# KiCad board SparkX_Soft_Power_Switch_panelized.kicad_pcb (continued)
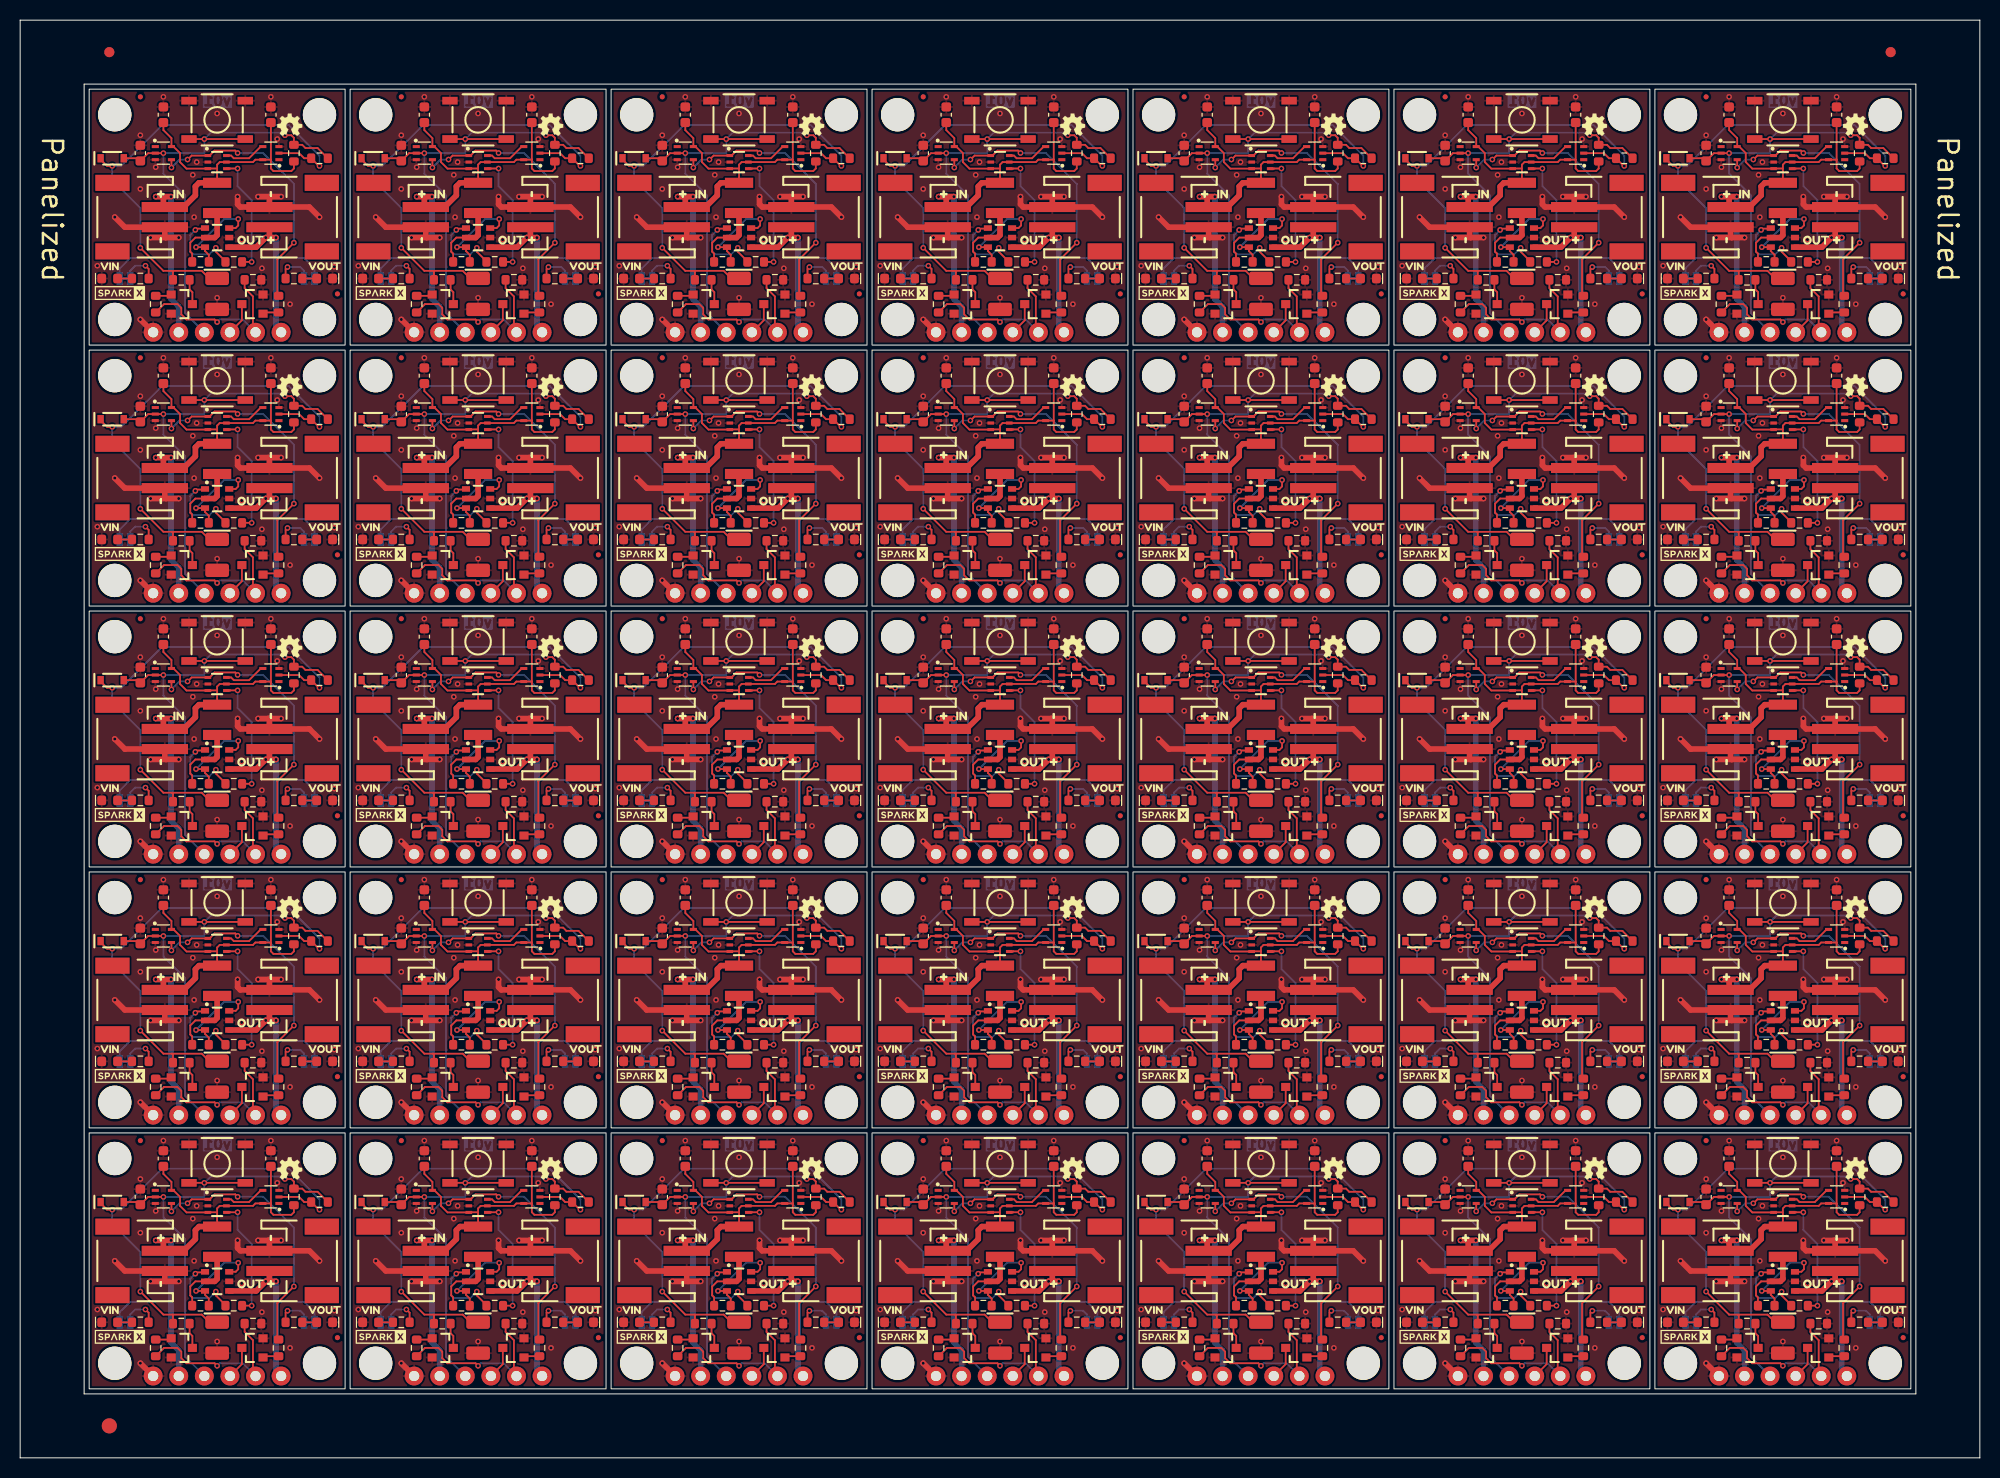
[diagram p0: board, top side]
## Routing (per net, layer and track width the routed paths; a pad name or vN(x,y) marks a point on that pad's centre or on a via; arc(x,y) is an arc through that point) (continued)
  vias: v1(7.66,118.32) v1(7.66,92.42) v1(7.66,66.52) v1(7.66,40.62) v1(7.66,14.72) v1(11.93,131.28) v1(11.93,125.94) v1(11.93,105.38) v1(11.93,100.04) v1(11.93,79.48) v1(11.93,74.14) v1(11.93,53.58) v1(11.93,48.24) v1(11.93,27.68) v1(11.93,22.34) v1(13.45,128.1) v1(13.45,102.2) v1(13.45,76.3) v1(13.45,50.4) v1(13.45,24.5) v1(14.22,135.09) v1(14.22,109.19) v1(14.22,83.29) v1(14.22,57.39) v1(14.22,31.49) v1(17.14,127.34) v1(17.14,101.44) v1(17.14,75.54) v1(17.14,49.64) v1(17.14,23.74) v1(17.26,123.15) v1(17.26,97.25) v1(17.26,71.35) v1(17.26,45.45) v1(17.26,19.55) v1(17.52,128.61) v1(17.52,102.71) v1(17.52,76.81) v1(17.52,50.91) v1(17.52,25.01) v1(19.55,133.44) v1(19.55,115.15) v1(19.55,107.54) v1(19.55,89.25) v1(19.55,81.64) v1(19.55,63.35) v1(19.55,55.74) v1(19.55,37.45) v1(19.55,29.84) v1(19.55,11.55) v1(21.99,120.91) v1(21.99,95.01) v1(21.99,69.11) v1(21.99,43.21) v1(21.99,17.31) v1(24,118.07) v1(24,92.17) v1(24,66.27) v1(24,40.37) v1(24,14.47) v1(24.88,135.09) v1(24.88,109.19) v1(24.88,83.29) v1(24.88,57.39) v1(24.88,31.49) v1(25.52,130.9) v1(25.52,105) v1(25.52,79.1) v1(25.52,53.2) v1(25.52,27.3) v1(26.79,114.51) v1(26.79,88.61) v1(26.79,62.71) v1(26.79,36.81) v1(26.79,10.91) v1(31.18,118.22) v1(31.18,92.32) v1(31.18,66.42) v1(31.18,40.52) v1(31.18,14.62) v1(33.56,118.32) v1(33.56,92.42) v1(33.56,66.52) v1(33.56,40.62) v1(33.56,14.72) v1(37.83,131.28) v1(37.83,125.94) v1(37.83,105.38) v1(37.83,100.04) v1(37.83,79.48) v1(37.83,74.14) v1(37.83,53.58) v1(37.83,48.24) v1(37.83,27.68) v1(37.83,22.34) v1(39.35,128.1) v1(39.35,102.2) v1(39.35,76.3) v1(39.35,50.4) v1(39.35,24.5) v1(40.12,135.09) v1(40.12,109.19) v1(40.12,83.29) v1(40.12,57.39) v1(40.12,31.49) v1(43.04,127.34) v1(43.04,101.44) v1(43.04,75.54) v1(43.04,49.64) v1(43.04,23.74) v1(43.16,123.15) v1(43.16,97.25) v1(43.16,71.35) v1(43.16,45.45) v1(43.16,19.55) v1(43.42,128.61) v1(43.42,102.71) v1(43.42,76.81) v1(43.42,50.91) v1(43.42,25.01) v1(45.45,133.44) v1(45.45,115.15) v1(45.45,107.54) v1(45.45,89.25) v1(45.45,81.64) v1(45.45,63.35) v1(45.45,55.74) v1(45.45,37.45) v1(45.45,29.84) v1(45.45,11.55) v1(47.89,120.91) v1(47.89,95.01) v1(47.89,69.11) v1(47.89,43.21) v1(47.89,17.31) v1(49.9,118.07) v1(49.9,92.17) v1(49.9,66.27) v1(49.9,40.37) v1(49.9,14.47) v1(50.78,135.09) v1(50.78,109.19) v1(50.78,83.29) v1(50.78,57.39) v1(50.78,31.49) v1(51.42,130.9) v1(51.42,105) v1(51.42,79.1) v1(51.42,53.2) v1(51.42,27.3) v1(52.69,114.51) v1(52.69,88.61) v1(52.69,62.71) v1(52.69,36.81) v1(52.69,10.91) v1(57.08,118.22) v1(57.08,92.32) v1(57.08,66.42) v1(57.08,40.52) v1(57.08,14.62) v1(59.46,118.32) v1(59.46,92.42) v1(59.46,66.52) v1(59.46,40.62) v1(59.46,14.72) v1(63.73,131.28) v1(63.73,125.94) v1(63.73,105.38) v1(63.73,100.04) v1(63.73,79.48) v1(63.73,74.14) v1(63.73,53.58) v1(63.73,48.24) v1(63.73,27.68) v1(63.73,22.34) v1(65.25,128.1) v1(65.25,102.2) v1(65.25,76.3) v1(65.25,50.4) v1(65.25,24.5) v1(66.02,135.09) v1(66.02,109.19) v1(66.02,83.29) v1(66.02,57.39) v1(66.02,31.49) v1(68.94,127.34) v1(68.94,101.44) v1(68.94,75.54) v1(68.94,49.64) v1(68.94,23.74) v1(69.06,123.15) v1(69.06,97.25) v1(69.06,71.35) v1(69.06,45.45) v1(69.06,19.55) v1(69.32,128.61) v1(69.32,102.71) v1(69.32,76.81) v1(69.32,50.91) v1(69.32,25.01) v1(71.35,133.44) v1(71.35,115.15) v1(71.35,107.54) v1(71.35,89.25) v1(71.35,81.64) v1(71.35,63.35) v1(71.35,55.74) v1(71.35,37.45) v1(71.35,29.84) v1(71.35,11.55) v1(73.79,120.91) v1(73.79,95.01) v1(73.79,69.11) v1(73.79,43.21) v1(73.79,17.31) v1(75.79,118.07) v1(75.79,92.17) v1(75.79,66.27) v1(75.79,40.37) v1(75.79,14.47) v1(76.68,135.09) v1(76.68,109.19) v1(76.68,83.29) v1(76.68,57.39) v1(76.68,31.49) v1(77.32,130.9) v1(77.32,105) v1(77.32,79.1) v1(77.32,53.2) v1(77.32,27.3) v1(78.59,114.51) v1(78.59,88.61) v1(78.59,62.71) v1(78.59,36.81) v1(78.59,10.91) v1(82.98,118.22) v1(82.98,92.32) v1(82.98,66.42) v1(82.98,40.52) v1(82.98,14.62) v1(85.36,118.32) v1(85.36,92.42) v1(85.36,66.52) v1(85.36,40.62) v1(85.36,14.72) v1(89.63,131.28) v1(89.63,125.94) v1(89.63,105.38) v1(89.63,100.04) v1(89.63,79.48) v1(89.63,74.14) v1(89.63,53.58) v1(89.63,48.24) v1(89.63,27.68) v1(89.63,22.34) v1(91.15,128.1) v1(91.15,102.2) v1(91.15,76.3) v1(91.15,50.4) v1(91.15,24.5) v1(91.92,135.09) v1(91.92,109.19) v1(91.92,83.29) v1(91.92,57.39) v1(91.92,31.49) v1(94.84,127.34) v1(94.84,101.44) v1(94.84,75.54) v1(94.84,49.64) v1(94.84,23.74) v1(94.96,123.15) v1(94.96,97.25) v1(94.96,71.35) v1(94.96,45.45) v1(94.96,19.55) v1(95.22,128.61) v1(95.22,102.71) v1(95.22,76.81) v1(95.22,50.91) v1(95.22,25.01) v1(97.25,133.44) v1(97.25,115.15) v1(97.25,107.54) v1(97.25,89.25) v1(97.25,81.64) v1(97.25,63.35) v1(97.25,55.74) v1(97.25,37.45) v1(97.25,29.84) v1(97.25,11.55) v1(99.69,120.91) v1(99.69,95.01) v1(99.69,69.11) v1(99.69,43.21) v1(99.69,17.31) v1(101.69,118.07) v1(101.69,92.17) v1(101.69,66.27) v1(101.69,40.37) v1(101.69,14.47) v1(102.58,135.09) v1(102.58,109.19) v1(102.58,83.29) v1(102.58,57.39) v1(102.58,31.49) v1(103.22,130.9) v1(103.22,105) v1(103.22,79.1) v1(103.22,53.2) v1(103.22,27.3) v1(104.49,114.51) v1(104.49,88.61) v1(104.49,62.71) v1(104.49,36.81) v1(104.49,10.91) v1(108.88,118.22) v1(108.88,92.32) v1(108.88,66.42) v1(108.88,40.52) v1(108.88,14.62) v1(111.26,118.32) v1(111.26,92.42) v1(111.26,66.52) v1(111.26,40.62) v1(111.26,14.72) v1(115.53,131.28) v1(115.53,125.94) v1(115.53,105.38) v1(115.53,100.04) v1(115.53,79.48) v1(115.53,74.14) v1(115.53,53.58) v1(115.53,48.24) v1(115.53,27.68) v1(115.53,22.34) v1(117.05,128.1) v1(117.05,102.2) v1(117.05,76.3) v1(117.05,50.4) v1(117.05,24.5) v1(117.82,135.09) v1(117.82,109.19) v1(117.82,83.29) v1(117.82,57.39) v1(117.82,31.49) v1(120.74,127.34) v1(120.74,101.44) v1(120.74,75.54) v1(120.74,49.64) v1(120.74,23.74) v1(120.86,123.15) v1(120.86,97.25) v1(120.86,71.35) v1(120.86,45.45) v1(120.86,19.55) v1(121.12,128.61) v1(121.12,102.71) v1(121.12,76.81) v1(121.12,50.91) v1(121.12,25.01) v1(123.15,133.44) v1(123.15,115.15) v1(123.15,107.54) v1(123.15,89.25) v1(123.15,81.64) v1(123.15,63.35) v1(123.15,55.74) v1(123.15,37.45) v1(123.15,29.84) v1(123.15,11.55) v1(125.59,120.91) v1(125.59,95.01) v1(125.59,69.11) v1(125.59,43.21) v1(125.59,17.31) v1(127.59,118.07) v1(127.59,92.17) v1(127.59,66.27) v1(127.59,40.37) v1(127.59,14.47) v1(128.48,135.09) v1(128.48,109.19) v1(128.48,83.29) v1(128.48,57.39) v1(128.48,31.49) v1(129.12,130.9) v1(129.12,105) v1(129.12,79.1) v1(129.12,53.2) v1(129.12,27.3) v1(130.39,114.51) v1(130.39,88.61) v1(130.39,62.71) v1(130.39,36.81) v1(130.39,10.91) v1(134.78,118.22) v1(134.78,92.32) v1(134.78,66.42) v1(134.78,40.52) v1(134.78,14.62) v1(137.16,118.32) v1(137.16,92.42) v1(137.16,66.52) v1(137.16,40.62) v1(137.16,14.72) v1(141.43,131.28) v1(141.43,125.94) v1(141.43,105.38) v1(141.43,100.04) v1(141.43,79.48) v1(141.43,74.14) v1(141.43,53.58) v1(141.43,48.24) v1(141.43,27.68) v1(141.43,22.34) v1(142.95,128.1) v1(142.95,102.2) v1(142.95,76.3) v1(142.95,50.4) v1(142.95,24.5) v1(143.72,135.09) v1(143.72,109.19) v1(143.72,83.29) v1(143.72,57.39) v1(143.72,31.49) v1(146.64,127.34) v1(146.64,101.44) v1(146.64,75.54) v1(146.64,49.64) v1(146.64,23.74) v1(146.76,123.15) v1(146.76,97.25) v1(146.76,71.35) v1(146.76,45.45) v1(146.76,19.55) v1(147.02,128.61) v1(147.02,102.71) v1(147.02,76.81) v1(147.02,50.91) v1(147.02,25.01) v1(149.05,133.44) v1(149.05,115.15) v1(149.05,107.54) v1(149.05,89.25) v1(149.05,81.64) v1(149.05,63.35) v1(149.05,55.74) v1(149.05,37.45) v1(149.05,29.84) v1(149.05,11.55) v1(151.49,120.91) v1(151.49,95.01) v1(151.49,69.11) v1(151.49,43.21) v1(151.49,17.31) v1(153.49,118.07) v1(153.49,92.17) v1(153.49,66.27) v1(153.49,40.37) v1(153.49,14.47) v1(154.38,135.09) v1(154.38,109.19) v1(154.38,83.29) v1(154.38,57.39) v1(154.38,31.49) v1(155.02,130.9) v1(155.02,105) v1(155.02,79.1) v1(155.02,53.2) v1(155.02,27.3) v1(156.29,114.51) v1(156.29,88.61) v1(156.29,62.71) v1(156.29,36.81) v1(156.29,10.91) v1(160.68,118.22) v1(160.68,92.32) v1(160.68,66.42) v1(160.68,40.52) v1(160.68,14.62) v1(163.06,118.32) v1(163.06,92.42) v1(163.06,66.52) v1(163.06,40.62) v1(163.06,14.72) v1(167.33,131.28) v1(167.33,125.94) v1(167.33,105.38) v1(167.33,100.04) v1(167.33,79.48) v1(167.33,74.14) v1(167.33,53.58) v1(167.33,48.24) v1(167.33,27.68) v1(167.33,22.34) v1(168.85,128.1) v1(168.85,102.2) v1(168.85,76.3) v1(168.85,50.4) v1(168.85,24.5) v1(169.62,135.09) v1(169.62,109.19) v1(169.62,83.29) v1(169.62,57.39) v1(169.62,31.49) v1(172.54,127.34) v1(172.54,101.44) v1(172.54,75.54) v1(172.54,49.64) v1(172.54,23.74) v1(172.66,123.15) v1(172.66,97.25) v1(172.66,71.35) v1(172.66,45.45) v1(172.66,19.55) v1(172.92,128.61) v1(172.92,102.71) v1(172.92,76.81) v1(172.92,50.91) v1(172.92,25.01) v1(174.95,133.44) v1(174.95,115.15) v1(174.95,107.54) v1(174.95,89.25) v1(174.95,81.64) v1(174.95,63.35) v1(174.95,55.74) v1(174.95,37.45) v1(174.95,29.84) v1(174.95,11.55) v1(177.39,120.91) v1(177.39,95.01) v1(177.39,69.11) v1(177.39,43.21) v1(177.39,17.31) v1(179.4,118.07) v1(179.4,92.17) v1(179.4,66.27) v1(179.4,40.37) v1(179.4,14.47) v1(180.28,135.09) v1(180.28,109.19) v1(180.28,83.29) v1(180.28,57.39) v1(180.28,31.49) v1(180.92,130.9) v1(180.92,105) v1(180.92,79.1) v1(180.92,53.2) v1(180.92,27.3) v1(182.19,114.51) v1(182.19,88.61) v1(182.19,62.71) v1(182.19,36.81) v1(182.19,10.91) v1(186.58,118.22) v1(186.58,92.32) v1(186.58,66.42) v1(186.58,40.52) v1(186.58,14.62)
VIN: length 1922.6
  Top w0.178: 149.05,127.98 148.15,127.98 U4#31.3 146.02,127.96 145.37,128.61 145.37,129.5 144.72,130.15 U2#35.5 144.52,130.99 143.72,131.79 C3#15.1 ; 102.58,25.27 102.58,24.38 102.84,24.12 104.62,24.12 104.87,24.38 R1#2.1 ; 102.58,25.27 102.57,25.25 U3#5.5 101.04,25.25 100.81,25.01 U4#10.5 97.5,25.01 97.25,24.76 F1#32.2 ; 102.58,25.27 C4#12.1 ; F1#2.2 71.35,76.56 71.6,76.81 U4#4.5 74.91,76.81 75.15,77.05 U3#2.5 76.67,77.05 76.68,77.06 ; 128.48,51.17 128.48,50.28 128.74,50.02 130.52,50.02 130.77,50.28 R1#5.1 ; 128.48,51.17 C4#34.1 ; 128.48,51.17 128.47,51.15 U3.5 126.94,51.15 126.71,50.91 U4#15.5 123.4,50.91 123.15,50.66 F1#18.2 ; R1#4.1 53.07,24.38 52.82,24.12 51.04,24.12 50.78,24.38 50.78,25.27 ; 40.12,80.73 40.12,79.99 40.92,79.19 U2#18.5 41.12,78.35 41.77,77.7 41.77,76.81 42.42,76.16 U4#12.3 44.54,76.18 45.45,76.18 ; 154.38,77.06 154.37,77.05 U3#16.5 152.84,77.05 152.61,76.81 U4#23.5 149.3,76.81 149.05,76.56 F1#13.2 ; 154.38,77.06 154.38,80.73 ; 154.38,77.06 154.38,76.18 154.64,75.92 156.42,75.92 156.67,76.18 R1#27.1 ; F1#5.2 19.55,76.56 19.8,76.81 U4#6.5 23.11,76.81 23.34,77.05 U3#30.5 24.87,77.05 24.88,77.06 ; R1#21.1 130.77,24.38 130.52,24.12 128.74,24.12 128.48,24.38 128.48,25.27 ; 128.48,102.97 128.48,102.08 128.74,101.82 130.52,101.82 130.77,102.08 R1#23.1 ; 128.48,102.97 128.47,102.95 U3#9.5 126.94,102.95 126.71,102.71 U4#22.5 123.4,102.71 123.15,102.46 F1#33.2 ; 128.48,102.97 128.48,106.64 ; 19.55,76.18 18.64,76.18 U4#6.3 16.52,76.16 15.87,76.81 15.87,77.7 15.22,78.35 U2#21.5 15.02,79.19 14.22,79.99 14.22,80.73 ; 128.48,25.27 128.47,25.25 U3#12.5 126.94,25.25 126.71,25.01 U4#26.5 123.4,25.01 123.15,24.76 F1#19.2 ; 128.48,25.27 C4#33.1 ; 24.88,128.87 24.87,128.85 U3#32.5 23.34,128.85 23.11,128.61 U4#8.5 19.8,128.61 19.55,128.36 F1#4.2 ; 24.88,128.87 24.88,127.98 25.14,127.72 26.92,127.72 27.17,127.98 R1#13.1 ; 24.88,128.87 C4#14.1 ; 102.58,128.87 102.57,128.85 U3#6.5 101.04,128.85 100.81,128.61 U4#2.5 97.5,128.61 97.25,128.36 F1#23.2 ; 102.58,128.87 102.58,127.98 102.84,127.72 104.62,127.72 104.87,127.98 R1#20.1 ; 102.58,128.87 C4#15.1 ; R1#18.1 104.87,50.28 104.62,50.02 102.84,50.02 102.58,50.28 102.58,51.17 ; 40.12,106.64 40.12,105.89 40.92,105.09 U2#22.5 41.12,104.25 41.77,103.6 41.77,102.71 42.42,102.06 U4#9.3 44.54,102.08 45.45,102.08 ; 102.58,51.17 C4#31.1 ; 102.58,51.17 102.57,51.15 U3#11.5 101.04,51.15 100.81,50.91 U4#11.5 97.5,50.91 97.25,50.66 F1#27.2 ; 180.28,77.06 180.28,80.73 ; 180.28,77.06 180.28,76.18 180.54,75.92 182.32,75.92 182.57,76.18 R1#32.1 ; 180.28,77.06 180.27,77.05 U3#28.5 178.74,77.05 178.51,76.81 U4#16.5 175.2,76.81 174.95,76.56 F1#34.2 ; R1#34.1 156.67,24.38 156.42,24.12 154.64,24.12 154.38,24.38 154.38,25.27 ; 180.28,128.87 C4#10.1 ; 180.28,128.87 180.27,128.85 U3#27.5 178.74,128.85 178.51,128.61 U4#33.5 175.2,128.61 174.95,128.36 F1#15.2 ; 180.28,128.87 180.28,127.98 180.54,127.72 182.32,127.72 182.57,127.98 R1#22.1 ; 169.62,106.64 169.62,105.89 170.42,105.09 U2#31.5 170.62,104.25 171.27,103.6 171.27,102.71 171.92,102.06 U4#34.3 174.04,102.08 174.95,102.08 ; 19.55,102.08 18.64,102.08 U4#19.3 16.52,102.06 15.87,102.71 15.87,103.6 15.22,104.25 U2#19.5 15.02,105.09 14.22,105.89 14.22,106.64 ; 71.35,102.08 70.44,102.08 U4#7.3 68.32,102.06 67.67,102.71 67.67,103.6 67.02,104.25 U2#13.5 66.82,105.09 66.02,105.89 66.02,106.64 ; R1#17.1 78.97,102.08 78.72,101.82 76.94,101.82 76.68,102.08 76.68,102.97 ; 24.88,102.97 24.87,102.95 U3#31.5 23.34,102.95 23.11,102.71 U4#19.5 19.8,102.71 19.55,102.46 F1#3.2 ; 24.88,102.97 24.88,106.64 ; 24.88,102.97 24.88,102.08 25.14,101.82 26.92,101.82 27.17,102.08 R1#6.1 ; 71.35,50.28 70.44,50.28 U4#20.3 68.32,50.26 67.67,50.91 67.67,51.8 67.02,52.45 U2#15.5 66.82,53.29 66.02,54.09 C3#25.1 ; 24.88,51.17 24.87,51.15 U3#29.5 23.34,51.15 23.11,50.91 U4#13.5 19.8,50.91 19.55,50.66 F1#9.2 ; 24.88,51.17 24.88,50.28 25.14,50.02 26.92,50.02 27.17,50.28 R1#12.1 ; 24.88,51.17 C4#20.1 ; 97.25,24.38 96.34,24.38 96.33,24.36 94.22,24.36 93.57,25.01 93.57,25.9 92.92,26.55 U2#2.5 92.72,27.39 91.92,28.19 C3#24.1 ; 128.48,77.06 128.48,80.73 ; 128.48,77.06 128.47,77.05 U3#8.5 126.94,77.05 126.71,76.81 U4#24.5 123.4,76.81 123.15,76.56 F1#25.2 ; 128.48,77.06 128.48,76.18 128.74,75.92 130.52,75.92 130.77,76.18 R1#30.1 ; 180.28,25.27 180.28,24.38 180.54,24.12 182.32,24.12 182.57,24.38 R1#29.1 ; 180.28,25.27 C4#7.1 ; 180.28,25.27 180.27,25.25 U3#25.5 178.74,25.25 178.51,25.01 U4#32.5 175.2,25.01 174.95,24.76 F1#31.2 ; R1#11.1 53.07,76.18 52.82,75.92 51.04,75.92 50.78,76.18 50.78,77.06 ; 24.88,77.06 24.88,80.73 ; 24.88,77.06 24.88,76.18 25.14,75.92 26.92,75.92 27.17,76.18 R1#10.1 ; 76.68,128.87 76.67,128.85 U3#7.5 75.15,128.85 74.91,128.61 U4#17.5 71.6,128.61 71.35,128.36 F1#28.2 ; 76.68,128.87 76.68,127.98 76.94,127.72 78.72,127.72 78.97,127.98 R1#7.1 ; 76.68,128.87 C4#30.1 ; 128.48,128.87 128.47,128.85 U3#24.5 126.94,128.85 126.71,128.61 U4#29.5 123.4,128.61 123.15,128.36 F1#17.2 ; 128.48,128.87 C4#19.1 ; 128.48,128.87 128.48,127.98 128.74,127.72 130.52,127.72 130.77,127.98 R1#26.1 ; 180.28,51.17 180.27,51.15 U3#4.5 178.74,51.15 178.51,50.91 U4#28.5 175.2,50.91 174.95,50.66 F1#22.2 ; 180.28,51.17 180.28,50.28 180.54,50.02 182.32,50.02 182.57,50.28 R1#31.1 ; 180.28,51.17 C4.1 ; C3#2.1 169.62,131.79 170.42,130.99 U2#32.5 170.62,130.15 171.27,129.5 171.27,128.61 171.92,127.96 U4#33.3 174.04,127.98 174.95,127.98 ; 91.92,80.73 91.92,79.99 92.72,79.19 U2#3.5 92.92,78.35 93.57,77.7 93.57,76.81 94.22,76.16 U4#21.3 96.34,76.18 97.25,76.18 ; C3#4.1 14.22,131.79 15.02,130.99 U2#23.5 15.22,130.15 15.87,129.5 15.87,128.61 16.52,127.96 U4#8.3 18.64,127.98 19.55,127.98 ; R1#35.1 27.17,24.38 26.92,24.12 25.14,24.12 24.88,24.38 24.88,25.27 ; C3#12.1 40.12,131.79 40.92,130.99 U2#14.5 41.12,130.15 41.77,129.5 41.77,128.61 42.42,127.96 U4#18.3 44.54,127.98 45.45,127.98 ; C3#28.1 117.82,28.19 118.62,27.39 U2#6.5 118.82,26.55 119.47,25.9 119.47,25.01 120.12,24.36 122.23,24.36 122.25,24.38 123.15,24.38 ; 154.38,128.87 C4#9.1 ; 154.38,128.87 154.37,128.85 U3#23.5 152.84,128.85 152.61,128.61 U4#31.5 149.3,128.61 149.05,128.36 F1#30.2 ; 154.38,128.87 154.38,127.98 154.64,127.72 156.42,127.72 156.67,127.98 R1#33.1 ; 50.78,128.87 C4#28.1 ; 50.78,128.87 50.77,128.85 U3#21.5 49.25,128.85 49.01,128.61 U4#18.5 45.7,128.61 45.45,128.36 F1.2 ; 50.78,128.87 50.78,127.98 51.04,127.72 52.82,127.72 53.07,127.98 R1#14.1 ; F1#14.2 174.95,102.46 175.2,102.71 U4#34.5 178.51,102.71 178.74,102.95 U3#26.5 180.27,102.95 180.28,102.97 ; 76.68,25.27 76.67,25.25 U3#14.5 75.15,25.25 74.91,25.01 U4#5.5 71.6,25.01 71.35,24.76 F1#11.2 ; 76.68,25.27 C4#21.1 ; 76.68,25.27 76.68,24.38 76.94,24.12 78.72,24.12 78.97,24.38 R1#15.1 ; 76.68,102.97 76.67,102.95 U3#22.5 75.15,102.95 74.91,102.71 U4#7.5 71.6,102.71 71.35,102.46 F1#16.2 ; 76.68,102.97 76.68,106.64 ; 117.82,80.73 117.82,79.99 118.62,79.19 U2#9.5 118.82,78.35 119.47,77.7 119.47,76.81 120.12,76.16 U4#24.3 122.25,76.18 123.15,76.18 ; 45.45,24.38 44.54,24.38 44.53,24.36 42.42,24.36 41.77,25.01 41.77,25.9 41.12,26.55 U2#17.5 40.92,27.39 40.12,28.19 C3#9.1 ; 143.72,80.73 143.72,79.99 144.52,79.19 U2#34.5 144.72,78.35 145.37,77.7 145.37,76.81 146.02,76.16 U4#23.3 148.15,76.18 149.05,76.18 ; 19.55,50.28 18.64,50.28 U4#13.3 16.52,50.26 15.87,50.91 15.87,51.8 15.22,52.45 U2#20.5 15.02,53.29 14.22,54.09 C3#7.1 ; 102.58,102.97 102.57,102.95 U3#17.5 101.04,102.95 100.81,102.71 U4#14.5 97.5,102.71 97.25,102.46 F1#20.2 ; 102.58,102.97 102.58,106.64 ; 102.58,102.97 102.58,102.08 102.84,101.82 104.62,101.82 104.87,102.08 R1#19.1 ; 102.58,77.06 102.57,77.05 U3#15.5 101.04,77.05 100.81,76.81 U4#21.5 97.5,76.81 97.25,76.56 F1#24.2 ; 102.58,77.06 102.58,76.18 102.84,75.92 104.62,75.92 104.87,76.18 R1#3.1 ; 102.58,77.06 102.58,80.73 ; 71.35,76.18 70.44,76.18 U4#4.3 68.32,76.16 67.67,76.81 67.67,77.7 67.02,78.35 U2#12.5 66.82,79.19 66.02,79.99 66.02,80.73 ; 97.25,50.28 96.34,50.28 U4#11.3 94.22,50.26 93.57,50.91 93.57,51.8 92.92,52.45 U2#5.5 92.72,53.29 91.92,54.09 C3#21.1 ; R1#9.1 53.07,102.08 52.82,101.82 51.04,101.82 50.78,102.08 50.78,102.97 ; 154.38,102.97 154.37,102.95 U3#18.5 152.84,102.95 152.61,102.71 U4#27.5 149.3,102.71 149.05,102.46 F1#29.2 ; 154.38,102.97 154.38,102.08 154.64,101.82 156.42,101.82 156.67,102.08 R1#28.1 ; 154.38,102.97 154.38,106.64 ; C3#33.1 117.82,131.79 118.62,130.99 U2#11.5 118.82,130.15 119.47,129.5 119.47,128.61 120.12,127.96 U4#29.3 122.25,127.98 123.15,127.98 ; 154.38,25.27 C4#2.1 ; 154.38,25.27 154.37,25.25 U3#10.5 152.84,25.25 152.61,25.01 U4#30.5 149.3,25.01 149.05,24.76 F1#26.2 ; 24.88,25.27 24.87,25.25 U3#35.5 23.34,25.25 23.11,25.01 U4#35.5 19.8,25.01 19.55,24.76 F1#35.2 ; 24.88,25.27 C4#35.1 ; C3#22.1 91.92,131.79 92.72,130.99 U2#8.5 92.92,130.15 93.57,129.5 93.57,128.61 94.22,127.96 U4#2.3 96.34,127.98 97.25,127.98 ; C3#30.1 143.72,54.09 144.52,53.29 U2#28.5 144.72,52.45 145.37,51.8 145.37,50.91 146.02,50.26 U4#25.3 148.15,50.28 149.05,50.28 ; 97.25,102.08 96.34,102.08 U4#14.3 94.22,102.06 93.57,102.71 93.57,103.6 92.92,104.25 U2#4.5 92.72,105.09 91.92,105.89 91.92,106.64 ; R1#25.1 182.57,102.08 182.32,101.82 180.54,101.82 180.28,102.08 180.28,102.97 ; 180.28,102.97 180.28,106.64 ; R1.1 78.97,76.18 78.72,75.92 76.94,75.92 76.68,76.18 76.68,77.06 ; C3#29.1 143.72,28.19 144.52,27.39 U2#25.5 144.72,26.55 145.37,25.9 145.37,25.01 146.02,24.36 148.13,24.36 148.15,24.38 149.05,24.38 ; 50.78,102.97 50.78,106.64 ; 50.78,102.97 50.77,102.95 U3#20.5 49.25,102.95 49.01,102.71 U4#9.5 45.7,102.71 45.45,102.46 F1#10.2 ; F1#6.2 45.45,24.76 45.7,25.01 U4#3.5 49.01,25.01 49.25,25.25 U3#33.5 50.77,25.25 50.78,25.27 ; 45.45,50.28 44.54,50.28 U4.3 42.42,50.26 41.77,50.91 41.77,51.8 41.12,52.45 U2#24.5 40.92,53.29 40.12,54.09 C3#10.1 ; F1#8.2 45.45,76.56 45.7,76.81 U4#12.5 49.01,76.81 49.25,77.05 U3#19.5 50.77,77.05 50.78,77.06 ; 50.78,25.27 C4#24.1 ; 19.55,24.38 18.64,24.38 18.63,24.36 16.52,24.36 15.87,25.01 15.87,25.9 15.22,26.55 U2#26.5 15.02,27.39 14.22,28.19 C3#35.1 ; 76.68,77.06 76.68,80.73 ; 154.38,51.17 154.37,51.15 U3#13.5 152.84,51.15 152.61,50.91 U4#25.5 149.3,50.91 149.05,50.66 F1#21.2 ; 154.38,51.17 154.38,50.28 154.64,50.02 156.42,50.02 156.67,50.28 R1#24.1 ; 154.38,51.17 C4#6.1 ; 50.78,51.17 C4#27.1 ; 50.78,51.17 50.77,51.15 U3#34.5 49.25,51.15 49.01,50.91 U4.5 45.7,50.91 45.45,50.66 F1#7.2 ; 50.78,51.17 50.78,50.28 51.04,50.02 52.82,50.02 53.07,50.28 R1#8.1 ; 169.62,80.73 169.62,79.99 170.42,79.19 U2#30.5 170.62,78.35 171.27,77.7 171.27,76.81 171.92,76.16 U4#16.3 174.04,76.18 174.95,76.18 ; 117.82,106.64 117.82,105.89 118.62,105.09 U2#10.5 118.82,104.25 119.47,103.6 119.47,102.71 120.12,102.06 U4#22.3 122.25,102.08 123.15,102.08 ; 50.78,77.06 50.78,80.73 ; C3#6.1 66.02,28.19 66.82,27.39 U2#16.5 67.02,26.55 67.67,25.9 67.67,25.01 68.32,24.36 70.43,24.36 70.44,24.38 71.35,24.38 ; C3#16.1 169.62,28.19 170.42,27.39 U2#33.5 170.62,26.55 171.27,25.9 171.27,25.01 171.92,24.36 174.03,24.36 174.04,24.38 174.95,24.38 ; F1#12.2 71.35,50.66 71.6,50.91 U4#20.5 74.91,50.91 75.15,51.15 U3#3.5 76.67,51.15 76.68,51.17 ; 123.15,50.28 122.25,50.28 U4#15.3 120.12,50.26 119.47,50.91 119.47,51.8 118.82,52.45 U2#7.5 118.62,53.29 117.82,54.09 C3#32.1 ; 143.72,106.64 143.72,105.89 144.52,105.09 U2#29.5 144.72,104.25 145.37,103.6 145.37,102.71 146.02,102.06 U4#27.3 148.15,102.08 149.05,102.08 ; 76.68,51.17 76.68,50.28 76.94,50.02 78.72,50.02 78.97,50.28 R1#16.1 ; 76.68,51.17 C4#11.1 ; C3#20.1 66.02,131.79 66.82,130.99 U2.5 67.02,130.15 67.67,129.5 67.67,128.61 68.32,127.96 U4#17.3 70.44,127.98 71.35,127.98 ; 174.95,50.28 174.04,50.28 U4#28.3 171.92,50.26 171.27,50.91 171.27,51.8 170.62,52.45 U2#27.5 170.42,53.29 169.62,54.09 C3#17.1
  Top w0.559: v1(168.85,47.48) 169.62,47.48 ; 169.62,47.48 169.62,46.59 J1#10.2 171.63,46.45 172.79,47.61 172.79,48.5 173.15,48.86 F1#22.2 ; 169.62,47.48 v1(170.38,47.48) ; 169.62,99.28 v1(170.38,99.28) ; 169.62,99.28 v1(168.85,99.28) ; 169.62,99.28 169.62,98.39 J1#34.2 171.63,98.25 172.79,99.41 172.79,100.3 173.15,100.66 F1#14.2 ; 66.02,47.48 v1(66.78,47.48) ; 66.02,47.48 66.02,46.59 J1#3.2 68.03,46.45 69.19,47.61 69.19,48.5 69.55,48.86 F1#12.2 ; 66.02,47.48 v1(65.25,47.48) ; 14.22,21.58 14.22,20.69 J1#35.2 16.23,20.55 17.39,21.71 17.39,22.6 17.75,22.95 F1#35.2 ; 14.22,21.58 v1(13.45,21.58) ; 14.22,21.58 v1(14.98,21.58) ; v1(142.95,125.18) 143.72,125.18 ; 143.72,125.18 143.72,124.29 J1#9.2 145.73,124.15 146.89,125.31 146.89,126.2 147.25,126.56 F1#30.2 ; 143.72,125.18 v1(144.48,125.18) ; v1(65.25,99.28) 66.02,99.28 ; 66.02,99.28 66.02,98.39 J1#23.2 68.03,98.25 69.19,99.41 69.19,100.3 69.55,100.66 F1#16.2 ; 66.02,99.28 v1(66.78,99.28) ; 91.92,73.38 91.92,72.49 J1#20.2 93.93,72.35 95.09,73.51 95.09,74.4 95.45,74.75 F1#24.2 ; 91.92,73.38 v1(92.68,73.38) ; 91.92,73.38 v1(91.15,73.38) ; 91.92,125.18 v1(92.68,125.18) ; 91.92,125.18 v1(91.15,125.18) ; 91.92,125.18 91.92,124.29 J1#19.2 93.93,124.15 95.09,125.31 95.09,126.2 95.45,126.56 F1#23.2 ; F1#15.2 173.15,126.56 172.79,126.2 172.79,125.31 171.63,124.15 J1#33.2 169.62,124.29 169.62,125.18 ; 169.62,125.18 v1(170.38,125.18) ; 169.62,125.18 v1(168.85,125.18) ; v1(91.15,21.58) 91.92,21.58 ; 91.92,21.58 91.92,20.69 J1#22.2 93.93,20.55 95.09,21.71 95.09,22.6 95.45,22.95 F1#32.2 ; 91.92,21.58 v1(92.68,21.58) ; F1#18.2 121.35,48.86 120.99,48.5 120.99,47.61 119.83,46.45 J1#11.2 117.82,46.59 117.82,47.48 ; F1#21.2 147.25,48.86 146.89,48.5 146.89,47.61 145.73,46.45 J1#29.2 143.72,46.59 143.72,47.48 ; v1(39.35,47.48) 40.12,47.48 ; 40.12,47.48 v1(40.88,47.48) ; 40.12,47.48 40.12,46.59 J1#14.2 42.13,46.45 43.29,47.61 43.29,48.5 43.65,48.86 F1#7.2 ; v1(117.05,99.28) 117.82,99.28 ; 117.82,99.28 v1(118.58,99.28) ; 117.82,99.28 117.82,98.39 J1#27.2 119.83,98.25 120.99,99.41 120.99,100.3 121.35,100.66 F1#33.2 ; 117.82,21.58 117.82,20.69 J1#21.2 119.83,20.55 120.99,21.71 120.99,22.6 121.35,22.95 F1#19.2 ; 117.82,21.58 v1(117.05,21.58) ; 117.82,21.58 v1(118.58,21.58) ; 117.82,125.18 117.82,124.29 J1#6.2 119.83,124.15 120.99,125.31 120.99,126.2 121.35,126.56 F1#17.2 ; 117.82,125.18 v1(118.58,125.18) ; 117.82,125.18 v1(117.05,125.18) ; 40.12,125.18 40.12,124.29 J1#12.2 42.13,124.15 43.29,125.31 43.29,126.2 43.65,126.56 F1.2 ; 40.12,125.18 v1(40.88,125.18) ; 40.12,125.18 v1(39.35,125.18) ; 117.82,47.48 v1(118.58,47.48) ; 117.82,47.48 v1(117.05,47.48) ; 143.72,99.28 143.72,98.39 J1#30.2 145.73,98.25 146.89,99.41 146.89,100.3 147.25,100.66 F1#29.2 ; 143.72,99.28 v1(144.48,99.28) ; 143.72,99.28 v1(142.95,99.28) ; 40.12,99.28 40.12,98.39 J1#7.2 42.13,98.25 43.29,99.41 43.29,100.3 43.65,100.66 F1#10.2 ; 40.12,99.28 v1(40.88,99.28) ; 40.12,99.28 v1(39.35,99.28) ; 117.82,73.38 v1(118.58,73.38) ; 117.82,73.38 117.82,72.49 J1#26.2 119.83,72.35 120.99,73.51 120.99,74.4 121.35,74.75 F1#25.2 ; 117.82,73.38 v1(117.05,73.38) ; 14.22,99.28 v1(14.98,99.28) ; 14.22,99.28 14.22,98.39 J1#17.2 16.23,98.25 17.39,99.41 17.39,100.3 17.75,100.66 F1#3.2 ; 14.22,99.28 v1(13.45,99.28) ; F1#34.2 173.15,74.75 172.79,74.4 172.79,73.51 171.63,72.35 J1#32.2 169.62,72.49 169.62,73.38 ; F1#20.2 95.45,100.66 95.09,100.3 95.09,99.41 93.93,98.25 J1#16.2 91.92,98.39 91.92,99.28 ; 169.62,21.58 169.62,20.69 J1#31.2 171.63,20.55 172.79,21.71 172.79,22.6 173.15,22.95 F1#31.2 ; 169.62,21.58 v1(170.38,21.58) ; 169.62,21.58 v1(168.85,21.58) ; 66.02,21.58 v1(66.78,21.58) ; 66.02,21.58 66.02,20.69 J1#24.2 68.03,20.55 69.19,21.71 69.19,22.6 69.55,22.95 F1#11.2 ; 66.02,21.58 v1(65.25,21.58) ; 91.92,99.28 v1(91.15,99.28) ; 91.92,99.28 v1(92.68,99.28) ; 66.02,73.38 66.02,72.49 J1#18.2 68.03,72.35 69.19,73.51 69.19,74.4 69.55,74.75 F1#2.2 ; 66.02,73.38 v1(66.78,73.38) ; 66.02,73.38 v1(65.25,73.38) ; v1(142.95,73.38) 143.72,73.38 ; 143.72,73.38 143.72,72.49 J1#8.2 145.73,72.35 146.89,73.51 146.89,74.4 147.25,74.75 F1#13.2 ; 143.72,73.38 v1(144.48,73.38) ; 143.72,21.58 v1(144.48,21.58) ; 143.72,21.58 143.72,20.69 J1#28.2 145.73,20.55 146.89,21.71 146.89,22.6 147.25,22.95 F1#26.2 ; 143.72,21.58 v1(142.95,21.58) ; F1#6.2 43.65,22.95 43.29,22.6 43.29,21.71 42.13,20.55 J1#4.2 40.12,20.69 40.12,21.58 ; 14.22,47.48 v1(14.98,47.48) ; 14.22,47.48 v1(13.45,47.48) ; 14.22,47.48 14.22,46.59 J1.2 16.23,46.45 17.39,47.61 17.39,48.5 17.75,48.86 F1#9.2 ; 14.22,125.18 14.22,124.29 J1#13.2 16.23,124.15 17.39,125.31 17.39,126.2 17.75,126.56 F1#4.2 ; 14.22,125.18 v1(13.45,125.18) ; 14.22,125.18 v1(14.98,125.18) ; v1(13.45,73.38) 14.22,73.38 ; 14.22,73.38 v1(14.98,73.38) ; 14.22,73.38 14.22,72.49 J1#2.2 16.23,72.35 17.39,73.51 17.39,74.4 17.75,74.75 F1#5.2 ; v1(142.95,47.48) 143.72,47.48 ; 143.72,47.48 v1(144.48,47.48) ; v1(168.85,73.38) 169.62,73.38 ; 169.62,73.38 v1(170.38,73.38) ; 66.02,125.18 v1(66.78,125.18) ; 66.02,125.18 66.02,124.29 J1#15.2 68.03,124.15 69.19,125.31 69.19,126.2 69.55,126.56 F1#28.2 ; 66.02,125.18 v1(65.25,125.18) ; 40.12,21.58 v1(39.35,21.58) ; 40.12,21.58 v1(40.88,21.58) ; F1#27.2 95.45,48.86 95.09,48.5 95.09,47.61 93.93,46.45 J1#25.2 91.92,46.59 91.92,47.48 ; 40.12,73.38 v1(40.88,73.38) ; 40.12,73.38 v1(39.35,73.38) ; 40.12,73.38 40.12,72.49 J1#5.2 42.13,72.35 43.29,73.51 43.29,74.4 43.65,74.75 F1#8.2 ; 91.92,47.48 v1(92.68,47.48) ; 91.92,47.48 v1(91.15,47.48)
  Bottom w0.178: 118.58,41.39 114.51,41.39 113.49,40.36 JP1#20.2 ; JP1#24.2 113.49,118.06 114.51,119.09 118.58,119.09 ; 40.88,41.39 36.81,41.39 35.79,40.36 JP1#9.2 ; JP1#29.2 139.39,92.16 140.41,93.19 144.48,93.19 ; 118.58,93.19 114.51,93.19 113.49,92.16 JP1#28.2 ; 144.48,15.49 140.41,15.49 139.39,14.46 JP1#25.2 ; 14.98,93.19 10.91,93.19 9.89,92.16 JP1#8.2 ; JP1#13.2 61.69,92.16 62.71,93.19 66.78,93.19 ; JP1#31.2 165.29,14.46 166.31,15.49 170.38,15.49 ; 14.98,67.29 10.91,67.29 9.89,66.26 JP1#3.2 ; 40.88,15.49 36.81,15.49 35.79,14.46 JP1#2.2 ; JP1#32.2 165.29,92.16 166.31,93.19 170.38,93.19 ; 144.48,41.39 140.41,41.39 139.39,40.36 JP1#26.2 ; 14.98,41.39 10.91,41.39 9.89,40.36 JP1#6.2 ; JP1#7.2 61.69,14.46 62.71,15.49 66.78,15.49 ; JP1#12.2 35.79,92.16 36.81,93.19 40.88,93.19 ; JP1#18.2 87.59,14.46 88.61,15.49 92.68,15.49 ; 144.48,119.09 140.41,119.09 139.39,118.06 JP1#33.2 ; 170.38,67.29 166.31,67.29 165.29,66.26 JP1#35.2 ; JP1#19.2 61.69,66.26 62.71,67.29 66.78,67.29 ; 66.78,119.09 62.71,119.09 61.69,118.06 JP1#14.2 ; JP1#5.2 87.59,92.16 88.61,93.19 92.68,93.19 ; JP1#15.2 87.59,40.36 88.61,41.39 92.68,41.39 ; JP1#34.2 165.29,40.36 166.31,41.39 170.38,41.39 ; JP1#27.2 139.39,66.26 140.41,67.29 144.48,67.29 ; JP1#17.2 35.79,118.06 36.81,119.09 40.88,119.09 ; JP1#16.2 87.59,66.26 88.61,67.29 92.68,67.29 ; JP1#30.2 165.29,118.06 166.31,119.09 170.38,119.09 ; 118.58,15.49 114.51,15.49 113.49,14.46 JP1#21.2 ; JP1.2 9.89,14.46 10.91,15.49 14.98,15.49 ; 92.68,119.09 88.61,119.09 87.59,118.06 JP1#22.2 ; 40.88,67.29 36.81,67.29 35.79,66.26 JP1#11.2 ; JP1#4.2 9.89,118.06 10.91,119.09 14.98,119.09 ; JP1#23.2 113.49,66.26 114.51,67.29 118.58,67.29 ; 66.78,41.39 62.71,41.39 61.69,40.36 JP1#10.2
  Bottom w0.559: J3#5.5 15.74,88.36 14.98,89.12 v1(14.98,99.28) v1(13.45,99.28) ; v1(91.15,47.48) v1(92.68,47.48) 92.68,37.32 93.44,36.56 J3#23.5 ; v1(142.95,73.38) v1(144.48,73.38) 144.48,63.22 145.24,62.46 J3#32.5 ; v1(117.05,47.48) v1(118.58,47.48) 118.58,37.32 119.34,36.56 J3#15.5 ; v1(142.95,99.28) v1(144.48,99.28) 144.48,89.12 145.24,88.36 J3#28.5 ; v1(117.05,125.18) v1(118.58,125.18) 118.58,115.02 119.34,114.26 J3#25.5 ; J3#3.5 119.34,62.46 118.58,63.22 v1(118.58,73.38) v1(117.05,73.38) ; v1(117.05,99.28) v1(118.58,99.28) 118.58,89.12 119.34,88.36 J3#16.5 ; v1(142.95,47.48) v1(144.48,47.48) 144.48,37.32 145.24,36.56 J3#33.5 ; J3#7.5 67.54,10.66 66.78,11.42 v1(66.78,21.58) v1(65.25,21.58) ; J3#35.5 15.74,10.66 14.98,11.42 v1(14.98,21.58) v1(13.45,21.58) ; J3#24.5 93.44,114.26 92.68,115.02 v1(92.68,125.18) v1(91.15,125.18) ; v1(142.95,125.18) v1(144.48,125.18) 144.48,115.02 145.24,114.26 J3#34.5 ; v1(91.15,73.38) v1(92.68,73.38) 92.68,63.22 93.44,62.46 J3#8.5 ; J3#13.5 93.44,88.36 92.68,89.12 v1(92.68,99.28) v1(91.15,99.28) ; J3#27.5 171.14,88.36 170.38,89.12 v1(170.38,99.28) v1(168.85,99.28) ; J3#30.5 171.14,114.26 170.38,115.02 v1(170.38,125.18) v1(168.85,125.18) ; J3#26.5 171.14,62.46 170.38,63.22 v1(170.38,73.38) v1(168.85,73.38) ; J3#31.5 171.14,36.56 170.38,37.32 v1(170.38,47.48) v1(168.85,47.48) ; J3#19.5 67.54,62.46 66.78,63.22 v1(66.78,73.38) v1(65.25,73.38) ; J3#20.5 41.64,36.56 40.88,37.32 v1(40.88,47.48) v1(39.35,47.48) ; v1(168.85,21.58) v1(170.38,21.58) 170.38,11.42 171.14,10.66 J3#29.5 ; J3#4.5 145.24,10.66 144.48,11.42 v1(144.48,21.58) v1(142.95,21.58) ; v1(65.25,99.28) v1(66.78,99.28) 66.78,89.12 67.54,88.36 J3#22.5 ; v1(39.35,73.38) v1(40.88,73.38) 40.88,63.22 41.64,62.46 J3#11.5 ; v1(13.45,73.38) v1(14.98,73.38) 14.98,63.22 15.74,62.46 J3#2.5 ; v1(91.15,21.58) v1(92.68,21.58) 92.68,11.42 93.44,10.66 J3#12.5 ; v1(39.35,21.58) v1(40.88,21.58) 40.88,11.42 41.64,10.66 J3#10.5 ; v1(65.25,125.18) v1(66.78,125.18) 66.78,115.02 67.54,114.26 J3#18.5 ; v1(13.45,125.18) v1(14.98,125.18) 14.98,115.02 15.74,114.26 J3#6.5 ; J3#21.5 41.64,88.36 40.88,89.12 v1(40.88,99.28) v1(39.35,99.28) ; v1(39.35,125.18) v1(40.88,125.18) 40.88,115.02 41.64,114.26 J3#9.5 ; v1(117.05,21.58) v1(118.58,21.58) 118.58,11.42 119.34,10.66 J3#14.5 ; J3#17.5 67.54,36.56 66.78,37.32 v1(66.78,47.48) v1(65.25,47.48) ; v1(13.45,47.48) v1(14.98,47.48) 14.98,37.32 15.74,36.56 J3.5
